# Altium PCB MCH_MAIN.PCBDOC (part 7 of 14) (continued)
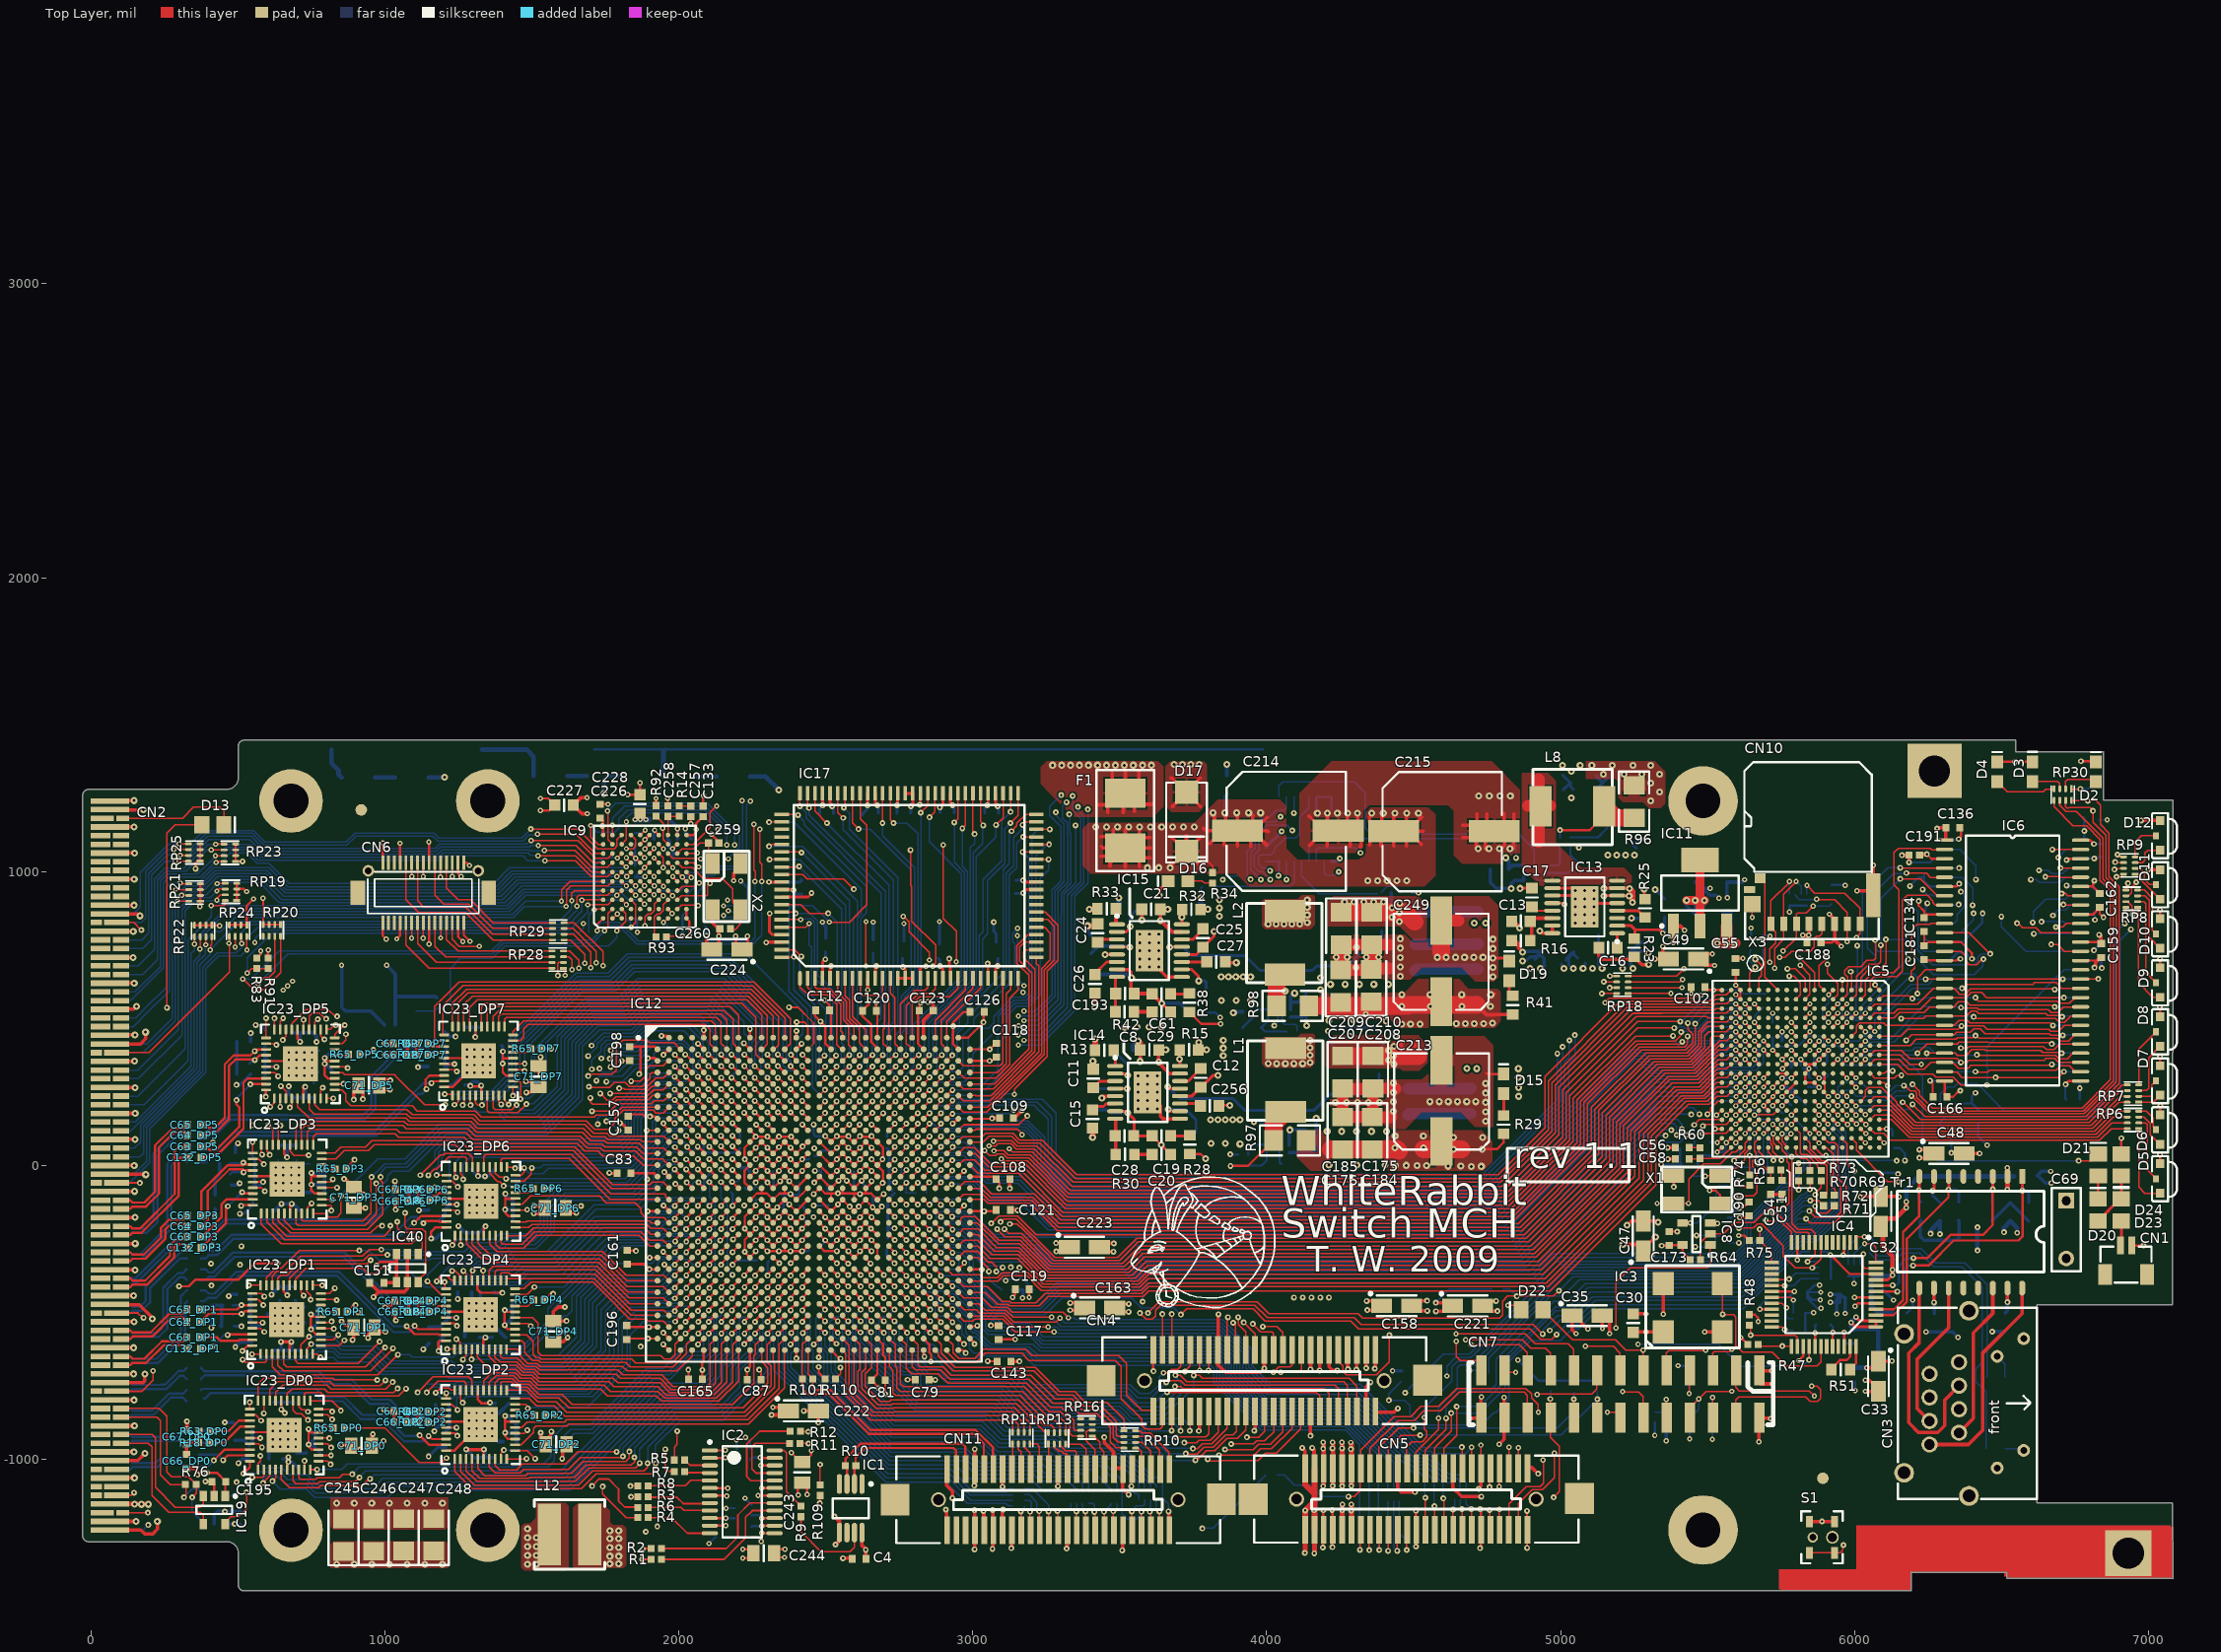
[diagram p0: Top Layer view]
## Nets (pads, with @x,y where several pads share a name; then routed paths per layer and width w, separated by ;. In a path a pad name is that pad's centre, name@x,y a point inside that pad or via, vN(x,y) a via of type N, cw(c..) or ccw(c..) an arc to the next point about the centre after c; other vN are vias at no path point) (continued)
DP_ENABLE2: IC12.AF11 IC23_DP2.1 | length 1524.1
  Top Layer w5: IC23_DP2.1@1237.68,-998.61 1237.68,-1039.9 1297.18,-1099.4 1668.4,-1099.4 1718.7,-1049.1 1849,-1049.1 ; 1858.8,-1049.1 1849,-1049.1 ; v1(1921,-1014.1) 1921,-1036.1 1908,-1049.1 1849,-1049.1
  Top Layer w8: v1@2305.42,-567.25 2321.25,-551.42 IC12.AF11@2321.25,-549.45
  Bottom Layer w5: v1(1921,-1014.1) 1920.9,-1014 1920.9,-952 2005.8,-867.1 2150.8,-867.1 2310.4,-707.5 2310.4,-583.3 2302.47,-575.37 v1(2302.47,-571.18)
DP_ENABLE3: IC12.F5 IC23_DP3.1 | length 1894.1
  Top Layer w5: IC23_DP3.1@579.08,-162.95 579.08,-198.58 647,-266.5 1090.4,-266.5 v1@1108.4,-248.5
  Top Layer w8: v1(2064.68,258.57) 2064.68,258.29 IC12.F5@2085.02,237.95
  Top Layer w10: IC12.F5@2085.02,237.95 IC12.F5@2085.02,238.23
  MidLayer1 w5: v1(1109,-247.7) 1127.1,-265.8 1165.25,-265.8 1205.55,-225.5 1401.2,-225.5 1466.2,-160.5 1466.2,-143.6 1567.1,-42.7 1632.23,-42.7 1798.83,123.9 v1@1800,123.9
  Bottom Layer w5: v1(1795,119.1) 1779,135.1 1779,157.34 1906.76,285.1 2038.16,285.1 v1(2064.68,258.57)
DP_ENABLE4: IC12.V3 IC23_DP4.1 | length 1007.7
  Top Layer w5: v1@1212.09,-624.81 IC23_DP4.1@1236.61,-624.81
  Top Layer w8: v1@1988.49,-256.22 1988.49,-252.29 IC12.V3@2004.32,-236.46
  Bottom Layer w5: v1(1211.8,-624.3) 1212.2,-623.9 1265.52,-623.9 1273.12,-616.3 1322.11,-616.3 1329.71,-623.9 1381.6,-623.9 1476.2,-623.9 1573,-527.1 1573,-488.3 1799,-262.3 1943.6,-262.3 1947.99,-257.91 v1(1987.9,-257.91)
DP_ENABLE5: IC12.B3 IC23_DP5.1 | length 1664.2
  Top Layer w5: v1(610.47,200.1) 624.68,214.31 IC23_DP5.1@624.68,228.45 ; v1@1691,309.7 1692.3,311 1696.31,311 1697.25,310.06 1773.36,310.06 1788.1,324.8 1788.1,363.15 1788.2,363.25 1788.2,404.7 1810.2,426.7 1890.6,426.7 1899.4,417.9 1909,417.9 ; 1905.4,417.9 1909,417.9 ; IC12.B3@2006.28,395.43 1983.82,417.9 1909,417.9
  MidLayer1 w5: v1(610.47,200.1) 610.47,200.03 660.8,149.7 1512.6,149.7 1552.8,189.9 1552.8,250.5 1607,304.7 v1(1692,304.7)
DP_ENABLE6: IC12.L4 IC23_DP6.1 | length 1050.8
  Top Layer w5: v1(1230,-270.9) 1238.41,-262.49 IC23_DP6.1@1238.41,-239.75
  Top Layer w8: v1@2028.34,62.64 2045.65,45.32 IC12.L4@2045.65,41.1
  Bottom Layer w5: v1(1230,-270.9) 1250.4,-250.5 1372.4,-250.5 1390,-232.9 1492.6,-232.9 1528.8,-196.7 1528.8,-138.7 1597.8,-69.7 1828.44,-69.7 1970.71,72.57 1970.71,73.81 1976.08,79.18 2016.88,79.18 2029,67.06 v1(2029,63.3)
DP_ENABLE7: IC12.D14 IC23_DP7.1 | length 1834
  Top Layer w5: v1(1204,242.9) 1226.29,242.9 IC23_DP7.1@1230.56,238.63 ; IC23_DP7.1@1229.8,227.5 1229.8,237.7 IC23_DP7.1@1230.28,238.19
  Top Layer w8: v1(2420,338.3) 2439.36,318.94 IC12.D14@2439.36,316.69
  Bottom Layer w5: v1(1204,242.9) 1248.9,242.9 1258.2,252.2 1361.2,252.2 1420.98,311.97 1420.98,425.81 1649.61,654.44 1759.59,654.44 1825.05,719.9 2039,719.9 ; 2039.2,719.7 2227,719.7 2421.5,525.2 2421.5,447.6 2401.3,427.4 2401.3,375.9 2401.6,375.6 2401.6,356.7 v1(2420,338.3)
DP_LOOPEN0: IC12.AB8 IC23_DP0.15 | length 1819.4
  Top Layer w5: IC23_DP0.15@775.32,-927.07 804.43,-927.07 v1@808.4,-923.1
  Top Layer w8: v1@2181.4,-413.7 2201.17,-393.94 IC12.AB8@2201.17,-391.97
  MidLayer1 w5: v1(811.8,-928.1) 877.4,-928.1 888.1,-938.8 921.2,-938.8 953.1,-970.7 1186.46,-970.7 1208.8,-948.36 1435.76,-948.36 1590.3,-948.4 1685.4,-853.3 1878.2,-853.3 2018,-713.5 2092.4,-713.5 2196.92,-608.98 2196.92,-430.2 v1(2180.42,-413.7)
DP_LOOPEN1: IC12.T8 IC23_DP1.15 | length 1668.1
  Top Layer w5: IC23_DP1.15@783.12,-534.47 815.43,-534.47 v1(819.2,-530.7)
  Top Layer w8: v1@2181.4,-179.45 2201.17,-159.69 IC12.T8@2201.17,-157.72
  MidLayer1 w5: v1(819.2,-530.7) 823.3,-526.6 824.7,-526.6 883.3,-468 883.3,-467.65 920.77,-430.18 970,-430.18 985.38,-414.8 1347.8,-414.8 1379.45,-383.15 ; 1381.2,-381.4 1379.45,-383.15 ; 1381.2,-381.2 1381.4,-381.2 ; v1(2183.37,-180.44) 2164.8,-161.86 2164.8,-125.1 2147,-107.3 1936.2,-107.3 1928.6,-99.7 1827.6,-99.7 1686.6,-240.7 1642.4,-240.7 1512,-371.1 1391.5,-371.1 1381.4,-381.2 ; 1379.45,-383.15 1381.4,-381.2
DP_LOOPEN2: IC12.AG12 IC23_DP2.15 | length 1130.7
  Top Layer w5: IC23_DP2.15@1443.39,-891.33 1443.62,-891.1 1466.2,-891.1 1484.7,-872.6 1611.3,-872.6 1618.8,-865.1 2234.8,-865.1 2340.8,-759.1 2340.8,-608.64 IC12.AG12@2360.62,-588.82
DP_LOOPEN3: IC12.E3 IC23_DP3.15 | length 1392
  Top Layer w5: IC23_DP3.15@784.79,-55.67 814.63,-55.67 v1(823.6,-46.7)
  Top Layer w8: v1(1985.94,301.88) 2006.28,281.54 IC12.E3@2006.28,277.32
  MidLayer1 w5: v1(823.6,-46.7) 857.8,-12.5 1163.8,-12.5 1189.6,13.3 1615.8,13.3 1721.8,119.3 1735.6,119.3 1754,137.7 v1(1754,150.7)
  Bottom Layer w5: v1(1754,150.7) 1905.18,301.88 1925,301.88 ; 1922.82,301.88 1925,301.88 ; v1(1985.94,301.88) 1925,301.88
DP_LOOPEN4: IC12.AG3 IC23_DP4.15 | length 732.3
  Top Layer w5: IC23_DP4.15@1442.35,-517.5 1469.8,-517.5 ; 1466.55,-517.5 1469.8,-517.5 ; IC12.AG3@2006.28,-588.82 1987.2,-607.91 1987.2,-643.5 1972.8,-657.9 1950.6,-657.9 1939.2,-646.5 1533.51,-646.5 1521.45,-634.45 1521.45,-536.35 1502.6,-517.5 1469.8,-517.5
DP_LOOPEN5: IC12.D6 IC23_DP5.15 | length 1625.6
  Top Layer w5: IC23_DP5.15@830.39,335.73 867.63,335.73 v1@869,337.1
  Top Layer w8: v1@2102.79,338.3 IC12.D6@2124.39,316.69
  MidLayer1 w5: v1(873.6,331.7) 885.57,343.67 885.57,354.33 993.14,461.9 1188.8,461.9 ; 1185,461.9 1188.8,461.9 ; 1449.2,461.9 1451.8,461.9 ; v1(1691.8,372.7) 1691.8,372.3 1690.4,373.7 1672,373.7 1627.4,418.3 1507.09,418.3 1463.49,461.9 1451.8,461.9 ; 1188.8,461.9 1451.8,461.9
  Bottom Layer w5: v1@1691.8,372.3 v1(1691.8,372.7) 1692.95,372.7 1723.1,402.85 1723.1,413.2 ; 1731.4,421.5 1723.1,413.2 ; v1(2101.1,338.3) 2117.6,354.8 2117.6,451.43 2072.93,496.1 1904.8,496.1 1847.14,438.44 1748.34,438.44 1723.1,413.2
DP_LOOPEN6: IC12.U2 IC23_DP6.15 | length 584.2
  Top Layer w5: IC23_DP6.15@1444.12,-132.47 1467.43,-132.47 1495.8,-104.1 1579.4,-104.1 ; 1584,-104.1 1579.4,-104.1 ; IC12.U2@1966.91,-195.12 1948.09,-176.3 1907.6,-176.3 1887.6,-176.3 1871,-159.7 1871,-147.1 1851,-127.1 1753.4,-127.1 1730.4,-104.1 1626.6,-104.1 1579.4,-104.1
DP_LOOPEN7: IC12.C12 IC23_DP7.15 | length 1297.9
  Top Layer w5: IC23_DP7.15@1435.99,345.47 v1@1473.57,345.47 ; v1@1474.2,346.1 v1@1473.57,345.47 ; v1(1476,346.1) 1475.37,345.47 v1@1473.57,345.47
  Top Layer w8: v1@2339.01,377.67 IC12.C12@2360.62,356.06
  Bottom Layer w5: v1(1476,346.1) 1473.06,349.04 1476.4,352.38 1476.4,413.35 1669.49,606.44 1685,606.44 1779.47,606.44 1844.73,671.7 2156.92,671.7 2337.32,491.3 v1(2337.32,377.67)
DP_PRBSEN0: IC12.V7 IC23_DP0.31 | length 1986.7
  Top Layer w5: v1(540.8,-805.3) 541.06,-805.56 IC23_DP0.31@541.06,-828.64
  Top Layer w8: v1@2145.97,-256.22 2145.97,-252.29 IC12.V7@2161.8,-236.46
  MidLayer1 w5: v1@547.4,-800.7 643,-705.1 857.8,-705.1 888.2,-674.7 1037.4,-674.7 1049.6,-662.5 1058.4,-662.5 1138.8,-662.5 ; 1137.6,-662.5 1138.8,-662.5 ; 1946.8,-241.41 1949.6,-241.41 ; v1@2144,-259.18 2126.23,-241.41 1949.6,-241.41 ; 1138.8,-662.5 1232.2,-662.5 1252.7,-642 1302.45,-642 1308.45,-648 1606.7,-648 1653.2,-601.5 1653.2,-536.9 1833.4,-356.7 1833.4,-263.7 1855.69,-241.41 1949.6,-241.41
  other v1: 2141,-254.3
DP_PRBSEN1: IC12.K7 IC23_DP1.31 | length 1986.6
  Top Layer w5: IC23_DP1.31@548.86,-436.04 580.74,-436.04 v1(590.6,-445.9)
  Top Layer w8: v1(2143.42,101.09) 2143.42,100.81 IC12.K7@2163.77,80.47
  MidLayer1 w5: v1(590.6,-445.9) 591.2,-445.3 591.2,-410.1 ; 591.2,-421.1 591.2,-410.1 ; v1(2143.42,101.09) 2126.82,117.7 1940,117.7 1907.8,85.5 1840.6,85.5 1761.9,6.8 1750.95,6.8 1457.25,-286.9 1296.07,-286.9 1284.37,-298.6 1207.78,-298.6 1195.48,-310.9 1078.94,-310.9 1034.14,-266.1 968,-266.1 957.2,-255.3 676.2,-255.3 591.2,-340.3 591.2,-410.1
DP_PRBSEN2: IC12.AC4 IC23_DP2.31 | length 1093.3
  Top Layer w5: IC23_DP2.31@1209.14,-792.91 1209.14,-777.39 1206.12,-774.38 1206.2,-774.3 v1(1209.2,-774.3)
  Top Layer w8: v1@2025.89,-453.07 v1(2025.89,-452.09) 2025.89,-451.11 IC12.AC4@2043.69,-433.31
  Bottom Layer w5: v1(1209.2,-774.3) 1206.2,-774.3 1206.6,-773.9 1235.12,-773.9 1252.47,-756.55 1673.95,-756.55 1779.8,-650.7 1779.8,-509.5 1819.64,-469.66 1857.8,-469.66 ; 1853.38,-469.66 1857.8,-469.66 ; v1(2025.89,-452.09) 2008.32,-469.66 1950.4,-469.66 1857.8,-469.66
DP_PRBSEN3: IC12.E4 IC23_DP3.31 | length 1740.3
  Top Layer w5: v1(550.4,79.9) 550.54,79.76 IC23_DP3.31@550.54,42.76
  Top Layer w8: v1(2025.31,301.88) 2045.65,281.54 IC12.E4@2045.65,277.32
  MidLayer1 w5: v1(550.4,79.9) 575.1,104.6 666.64,104.6 675.74,113.7 1538.8,113.7 1596.2,171.1 1596.2,232.1 1612.8,248.7 1704.55,248.7 1727.17,271.33 1731.2,271.33 ; 1736.03,271.33 1731.2,271.33 ; v1@1751.4,285.3 v1(1754.2,285.3) 1740.23,271.33 1731.2,271.33
  Bottom Layer w5: v1(1754.2,285.3) 1809.4,285.3 1818.6,294.5 ; 1818.6,294.88 1857.02,333.3 1913,333.3 1936.2,356.5 1996,356.5 2004,348.5 2004,323.19 v1(2025.31,301.88)
DP_PRBSEN4: IC12.U4 IC23_DP4.31 | length 972.8
  Top Layer w5: v1(1203.6,-396.5) 1204.8,-395.3 1204.8,-415.84 IC23_DP4.31@1208.06,-419.11 ; v1(2025,-215.78) IC12.U4@2045.65,-195.12
  Bottom Layer w5: v1(1203.6,-396.5) 1204.8,-395.3 1205.8,-396.3 1359.8,-396.3 1459.4,-396.3 1485,-370.7 1605.2,-370.7 1753.6,-222.3 1927.03,-222.3 1950.2,-199.14 2004.6,-199.14 ; 2007.19,-199.14 2004.6,-199.14 ; 2012.8,-203.7 2010.5,-201.4 ; v1(2025,-215.78) 2010.62,-201.4 2010.5,-201.4 ; 2004.6,-199.14 2008.24,-199.14 2010.5,-201.4
DP_PRBSEN5: IC12.G13 IC23_DP5.31 | length 2272.2
  Top Layer w5: IC23_DP5.31@596.14,434.16 596.14,441.3 ; 596.14,472.44 596.14,441.3 ; v1@596.14,499.24 596.14,441.3
  Top Layer w8: v1(2380.63,220.19) 2399.99,200.83 IC12.G13@2399.99,198.58
  MidLayer1 w5: v1(596.06,501.2) 666.96,572.1 718.46,572.1 801.06,654.7 1542.22,654.7 1585.51,611.41 1594.02,602.9 2199.66,602.9 2206.33,596.23 2237.83,564.73 2364.13,438.43 2364.13,236.69 v1(2380.63,220.19)
DP_PRBSEN6: IC12.G4 IC23_DP6.31 | length 1114.2
  Top Layer w5: v1(1176,-32.7) 1208.52,-32.7 IC23_DP6.31@1209.86,-34.04
  Top Layer w8: v1(2025.31,223.14) 2045.65,202.8 IC12.G4@2045.65,198.58
  Bottom Layer w5: v1(1176,-32.7) 1194.2,-14.5 1194.2,35.7 1223.84,65.34 1655.2,65.34 ; 1646.52,65.34 1655.2,65.34 ; v1(2025.31,223.14) 2006.75,241.7 1914.27,241.7 1838.4,165.83 1838.4,158.37 1838.5,158.27 1838.5,101.08 1802.76,65.34 1655.2,65.34
DP_PRBSEN7: IC12.A12 IC23_DP7.31 | length 1417.6
  Top Layer w5: IC23_DP7.31@1201.74,443.89 1197.23,448.4 1197.23,543.53 1265.6,611.9 1542.6,611.9 ; 1536.55,611.9 1542.6,611.9 ; 2225.4,611.5 2221.2,611.5 ; IC12.A12@2360.62,434.8 2361.8,435.99 2361.8,501.58 2251.88,611.5 2221.2,611.5 ; 1542.6,611.9 2217.22,611.9 2217.62,611.5 2221.2,611.5
DP_SYNC_PASS0: IC12.Y6 IC23_DP0.30 | length 1863.1
  Top Layer w5: IC23_DP0.30@569.61,-800.1 569.61,-743.29 589.8,-723.1 823,-723.1 829.4,-729.5 971.2,-729.5 v1@971.6,-729.9
  Top Layer w8: v1@2108.57,-331.03 2124.39,-315.2 IC12.Y6@2124.39,-313.23
  MidLayer1 w5: v1(974.2,-729.7) 995.7,-708.2 1075.82,-708.2 1086.42,-697.6 1335.1,-697.6 1347.4,-685.3 1631.8,-685.3 1695.4,-621.7 1695.4,-550.5 1873,-372.9 1873,-339.1 1879.8,-332.3 1915.8,-332.3 1927.7,-320.4 2087.12,-320.4 v1(2104.63,-337.92)
DP_SYNC_PASS1: IC12.J6 IC23_DP1.30 | length 1967.1
  Top Layer w5: v1(537.8,-407.5) IC23_DP1.30@577.41,-407.5
  Top Layer w8: v1(2104.05,144.4) 2124.39,124.06 IC12.J6@2124.39,119.84
  MidLayer1 w5: v1(537.8,-407.5) 537.8,-346.1 655.4,-228.5 976,-228.5 993.6,-246.1 1054.6,-246.1 1097.4,-288.9 1183,-288.9 1222.2,-249.7 1461.92,-249.7 1742.42,30.8 1751.25,30.8 1856.75,136.3 1904,136.3 1928.6,160.9 2087.55,160.9 v1(2104.05,144.4)
DP_SYNC_PASS2: IC12.AC5 IC23_DP2.30 | length 1221.8
  Top Layer w5: v1(1173.2,-772.7) 1189.1,-756.8 1218.5,-756.8 1226.06,-764.36 IC23_DP2.30@1237.68,-764.36
  Top Layer w8: v1@2063.29,-455.04 2063.29,-453.07 IC12.AC5@2081.09,-435.28
  Bottom Layer w5: v1(1173.2,-772.7) 1192.38,-791.88 1231.28,-791.88 1256.61,-766.55 1684.95,-766.55 1793.8,-657.7 1793.8,-533.1 1793.8,-526.5 1837.8,-482.5 1963,-482.5 1966.84,-478.66 1973.6,-478.66 ; 1970.77,-478.66 1973.6,-478.66 ; v1(2065.26,-452.09) 2038.69,-478.66 1973.6,-478.66
DP_SYNC_PASS3: IC12.F1 IC23_DP3.30 | length 1540.7
  Top Layer w5: IC23_DP3.30@579.08,71.3 579.08,40.5 v1(582.56,37.02) ; v1@1699.4,229.5 1699.4,217.3 1707.8,208.9 1775.46,208.9 1790.06,223.5 1897.13,223.5 1906.56,232.93 1908.61,234.98 1911.58,237.95 IC12.F1@1927.54,237.95
  MidLayer1 w5: v1(582.56,37.02) 582.56,69.96 605.2,92.6 671.61,92.6 680.71,101.7 1547.8,101.7 1610.2,164.1 1610.2,219.1 1621.2,230.1 v1(1699.6,230.1) v1@1699.2,230.5
DP_SYNC_PASS4: IC12.R5 IC23_DP4.30 | length 1132.4
  Top Layer w5: v1@1175.4,-400.7 1175.4,-391.3 1191.6,-375.1 1211.4,-375.1 1226.86,-390.56 IC23_DP4.30@1236.61,-390.56
  Top Layer w8: v1@2063.29,-138.11 IC12.R5@2083.06,-118.35
  Bottom Layer w5: v1@1175.4,-400.7 1175.4,-397.75 v1@1178.03,-395.13 ; v1(1176.8,-393.9) 1176.8,-386.15 1222.55,-340.4 1302.56,-340.4 1316.43,-326.53 1421.57,-326.53 1443,-305.1 1561.6,-305.1 1718.8,-147.9 1869.8,-147.9 1898.3,-119.4 2047.53,-119.4 v1(2065.26,-137.13)
DP_SYNC_PASS5: IC12.G12 IC23_DP5.30 | length 2165.5
  Top Layer w5: IC23_DP5.30@624.68,462.7 v1@624.68,500.82
  Top Layer w8: v1(2337.32,220.19) 2339.01,220.19 IC12.G12@2360.62,198.58
  MidLayer1 w5: v1@623.6,501.9 v1(624.6,500.9) 626.6,500.9 685.8,560.1 723.43,560.1 806.03,642.7 1537.25,642.7 1587.05,592.9 2192.69,592.9 2353.82,431.77 2353.82,236.69 v1(2337.32,220.19)
DP_SYNC_PASS6: IC12.G5 IC23_DP6.30 | length 1073.5
  Top Layer w5: IC23_DP6.30@1238.41,-5.5 1238.41,-36.3 v1(1241.89,-39.78)
  Top Layer w8: v1(2064.68,223.14) 2085.02,202.8 IC12.G5@2085.02,198.58
  Bottom Layer w5: v1(1241.89,-39.78) 1241.89,11.99 1268.4,38.5 1811,38.5 1860.6,88.1 1860.6,161.16 1906.08,206.64 2048.18,206.64 v1(2064.68,223.14)
DP_SYNC_PASS7: IC12.B11 IC23_DP7.30 | length 1373.6
  Top Layer w5: 1229.4,498.67 1229.4,502.1 ; IC23_DP7.30@1230.28,472.44 1229.4,473.32 1229.4,502.1 ; IC12.B11@2321.25,395.43 2325.13,395.43 2335.65,405.95 ; 2335.65,405.55 2335.65,405.95 ; 1229.4,502.1 1229.4,551.47 1277.83,599.9 2212.25,599.9 2212.65,599.5 2246.91,599.5 2340,506.41 2340,410.3 2335.65,405.95
DP_SYNCEN0: IC12.W7 IC23_DP0.32 | length 2021.9
  Top Layer w5: IC23_DP0.32@541.06,-848.33 560.51,-848.33 v1@579.39,-867.2
  Top Layer w8: v1@2144,-297.56 2144,-293.62 IC12.W7@2161.8,-275.83
  MidLayer1 w5: v1(579.4,-867.9) 558.2,-846.7 558.2,-812.1 651.8,-718.5 867.2,-718.5 899,-686.7 1049,-686.7 1058.1,-677.6 1311.9,-677.6 1329.6,-659.9 1617,-659.9 1665.6,-611.3 1665.6,-541.3 1848.2,-358.7 1848.2,-321.3 1893,-276.5 1952.6,-276.5 ; 1948.6,-276.5 1952.6,-276.5 ; v1(2144,-294.61) 2125.89,-276.5 1952.6,-276.5
DP_SYNCEN1: IC12.J7 IC23_DP1.32 | length 2036.3
  Top Layer w5: IC23_DP1.32@548.86,-455.73 568.31,-455.73 v1(587.19,-474.6)
  Top Layer w8: v1(2143.42,144.4) 2163.77,124.06 IC12.J7@2163.77,119.84
  MidLayer1 w5: 578.6,-468.1 568,-457.5 568,-340.93 667.43,-241.5 966.4,-241.5 981,-256.1 1041.77,-256.1 1086.57,-300.9 1191.34,-300.9 1203.74,-288.5 1271.2,-288.5 1284.8,-274.9 1452.28,-274.9 1745.98,18.8 1756.3,18.8 1836,98.5 1901.6,98.5 1929.8,126.7 2125.73,126.7 v1(2143.42,144.4)
DP_SYNCEN2: IC12.AD3 IC23_DP2.32 | length 1054.9
  Top Layer w5: IC23_DP2.32@1209.14,-812.59 1228.59,-812.59 v1(1247.46,-831.47)
  Top Layer w8: v1@1988.49,-492.44 1988.49,-488.51 IC12.AD3@2004.32,-472.68
  Bottom Layer w5: 1244.4,-813.5 1244.4,-808.1 ; v1(1247.46,-831.47) 1244.4,-828.41 1244.4,-808.1 ; v1(1986.52,-495.4) 1852.3,-495.4 1808,-539.7 1808,-662.3 1693.75,-776.55 1260.75,-776.55 1244.4,-792.9 1244.4,-808.1
DP_SYNCEN3: IC12.E1 IC23_DP3.32 | length 1530.7
  Top Layer w5: IC23_DP3.32@550.54,23.07 569.99,23.07 v1(588.86,4.2) ; v1(1766.2,245.3) 1766.3,245.2 1885.04,245.2 1908.12,268.28 1912.74,268.28 1916.18,268.28 1925.22,277.32 IC12.E1@1927.54,277.32 IC12.E1@1926.56,278.3
  MidLayer1 w5: v1(588.86,4.2) 598.76,14.1 627.06,14.1 635,22.04 635,44.5 659.1,68.6 681.55,68.6 690.65,77.7 1557.74,77.7 1634.4,154.36 1634.4,185.3 1651.7,202.6 1723.5,202.6 v1(1766.2,245.3)
DP_SYNCEN4: IC12.R6 IC23_DP4.32 | length 1217.5
  Top Layer w5: v1(1145.4,-393.5) 1190.69,-438.79 IC23_DP4.32@1208.06,-438.79
  Top Layer w8: v1@2104.63,-136.14 IC12.R6@2124.39,-116.38
  Bottom Layer w5: v1@1145,-401.1 1145.2,-400.9 1145.2,-372.3 1189.2,-328.3 1298,-328.3 1314.6,-311.7 1417.2,-311.7 1436,-292.9 1551.6,-292.9 1711.6,-132.9 1860.2,-132.9 1883,-110.1 2077.6,-110.1 v1(2104.63,-137.13)
DP_SYNCEN5: IC12.F12 IC23_DP5.32 | length 2144.2
  Top Layer w5: IC23_DP5.32@596.14,414.47 634.1,414.47 634.67,413.9 631.27,410.5 v1(631.2,410.5)
  Top Layer w8: v1(2337.32,259.56) 2339.01,259.56 IC12.F12@2360.62,237.95
  MidLayer1 w5: v1(631.2,410.5) 631.8,411.1 631.8,443.9 674.2,486.3 674.2,496.5 674.4,496.5 708.8,530.9 737,530.9 824.8,618.7 1527.31,618.7 1573.1,572.9 2178.75,572.9 2285.39,466.26 2285.39,292.09 2295.05,282.43 2314.45,282.43 v1(2337.32,259.56)
DP_SYNCEN6: IC12.G3 IC23_DP6.32 | length 1077.8
  Top Layer w5: IC23_DP6.32@1209.86,-53.73 1229.31,-53.73 v1(1248.19,-72.6)
  Top Layer w8: v1(1985.94,223.14) 2006.28,202.8 IC12.G3@2006.28,198.58
  Bottom Layer w5: v1(1248.19,-72.6) 1220,-44.42 1220,29.1 1241.5,50.6 1803.9,50.6 1848.8,95.5 1848.8,162.09 1909.85,223.14 v1(1985.94,223.14)
DP_SYNCEN7: IC12.B12 IC23_DP7.32 | length 1556.4
  Top Layer w5: IC23_DP7.32@1200.85,425.1 1201.74,424.21 1178.8,424.21 1169.6,433.4 1169.6,541.1 1252.4,623.9 1534.4,623.9 ; 1531.58,623.9 1534.4,623.9 ; IC12.B12@2360.62,395.43 2372.72,407.54 2373.04,407.54 2374.45,408.95 2379.6,414.1 2379.6,500.75 2306.73,573.63 2256.45,623.9 1830.4,623.9 1534.4,623.9
DRXD: CN7.15 IC9.G3 | length 4535.9
  Top Layer w5: v2(1885,814.9) 1885,845.75 1895.53,856.27 1904.69,856.27 1916.6,868.19 1916.6,888.52 IC9.G3@1931.98,903.89 ; v2(4920,-779.1) 4922.5,-776.6 5106.5,-776.6 5122.7,-760.4 CN7.15@5122.7,-698.68
  MidLayer1 w5: v2(1885,814.9) 1917,814.9 1924,807.9 1993,807.9 2011,825.9 ; 2015,825.9 2011,825.9 ; v2(4920,-779.1) 4920,-752.77 4825.33,-658.1 4351.57,-658.1 4339.86,-646.38 4254.61,-561.14 4038.93,-561.14 3820.89,-343.1 3489.91,-343.1 3277.61,-130.8 3277.61,586.72 3223.71,640.62 3164.43,640.62 3060.15,744.9 2395,744.9 2328.5,811.4 2131.5,811.4 2117,825.9 2011,825.9
DTXD: CN7.13 IC9.H2 | length 4326.9
  Top Layer w5: IC9.H2@1963.47,872.4 v2(1977.85,858.02) ; v2(5084,-615.1) 5179,-615.1 5201.44,-637.54 CN7.13@5201.44,-698.68
  MidLayer1 w5: v2(1977.85,858.02) 2039.07,858.02 2051.19,845.9 2125.28,845.9 2139.78,831.4 2338.5,831.4 2404,765.9 3067.43,765.9 3172.72,660.62 3231.99,660.62 3297.61,595 3297.61,-54.32 3564.19,-320.91 3829.19,-320.91 4048.39,-540.1 4261.86,-540.1 4359.86,-638.1 4839.52,-638.1 4843.02,-634.6 4909.64,-634.6 4913.22,-638.18 5060.92,-638.18 v2(5084,-615.1)
EBI1_A21: IC5.M9
EBI1_A22: IC5.N9
ESD_STRIP_SEGMENT_1: pad.ESD_STRIP_SEGMENT_1 R111.1 | length 109.4
  Bottom Layer w16: pad.ESD_STRIP_SEGMENT_1@818.91,1415.33 818.91,1368.69 842.88,1344.72 842.88,1330.22 R111.1@853.03,1320.06
ESD_STRIP_SEGMENT_2: pad.ESD_STRIP_SEGMENT_2 R113.1 | length 251.7
  Bottom Layer w16: pad.ESD_STRIP_SEGMENT_2@1330.72,1415.33 1482.44,1415.33 1506.42,1391.35 R113.1@1506.42,1325.31
ESD_STRIP_SEGMENT_3: pad.ESD_STRIP_SEGMENT_3 R115.1 | length 2374.9
  Bottom Layer w8: pad.ESD_STRIP_SEGMENT_3@1711.5,1415.33 pad.ESD_STRIP_SEGMENT_3@3988.2,1415.33 ; pad.ESD_STRIP_SEGMENT_3@1947.58,1411.66 pad.ESD_STRIP_SEGMENT_3@1954.21,1418.29
  Bottom Layer w16: R115.1@1946.01,1323.49 1947.58,1325.06 pad.ESD_STRIP_SEGMENT_3@1947.58,1411.66
ETH100_AGND: C31.2 C32.2 C33.2 C34.1 C36.2 C37.2 C39.2 C42.1 C69.1 C72.2 C73.2 IC4.5 IC4.6 IC4.46 R117.2 | length 1269.6
  Top Layer w8: IC4.46@5965,-616.1 v2(5965,-567.1) ; v2(6000,-449.1) IC4.6@6072,-449.1 ; v2(6001,-479.1) 6011,-469.1 IC4.5@6072,-469.1
  Top Layer w12: v2(6019,-106.1) 6020.18,-104.92 C32.2@6089,-104.92 6148.82,-104.92 v2(6150,-106.1) ; v2(6036,-768.1) 6036.18,-768.28 C33.2@6081,-768.28 6068,-755.28 6068,-748.1 6050,-730.1 v2(6037,-730.1)
  Bottom Layer w8: v2(6002,-765.1) C36.2@6002,-734.72 ; C34.1@6176.62,-503.1 6197.8,-481.92 v2(6197.8,-458.1)
  Bottom Layer w10: v2(5965,-567.1) 5965,-598.1 5972.62,-605.72 C37.2@5998,-605.72 ; C39.2@6095,-420.72 6132,-457.72 v2(6132,-458.1)
  Bottom Layer w12: v2(5918,-466.1) 5949,-466.1 5949,-443.19 R117.2@5953.09,-439.1 ; v2(5918,-438.1) 5919,-439.1 R117.2@5953.09,-439.1 ; v2(5939,-505.1) 5939,-453.19 R117.2@5953.09,-439.1 ; v2(5968,-503.1) 5968,-449.1 5963.09,-449.1 R117.2@5953.09,-439.1 ; v2(6667,-20.1) 6636,-20.1 6621,-35.1 C72.2@6623.5,-35.1 6648.5,-60.1 v2(6669,-60.1)
  Bottom Layer w16: v1(6258,-232.1) 6258,-222.1 6269,-211.1 6269,-209.6 C73.2@6290,-188.6 v1(6290,-233.1) ; v1(6418,-289.1) 6417.5,-288.6 C42.1@6417.5,-248.1 6417.5,-210.6 v1(6418,-210.1) ; v1(6508,-227.1) 6507,-227.1 6507,-212.6 C31.2@6530,-189.6 6553,-212.6 v1(6553,-229.1)
FBOOT_SEL: IC8.1 IC9.F6 | length 4980.3
  Top Layer w5: IC9.F6@1900.48,998.38 v2(1916,982.9) ; v2(5188,-552.1) 5188,-396.1 5236,-348.1 5498,-348.1 5509.24,-336.86 IC8.1@5509.24,-270.34
  MidLayer1 w5: v2(1916,982.9) 1958.08,982.9 ; 1933,982.9 1958.08,982.9 ; 4253,-489.1 4247,-489.1 ; v2(5188,-552.1) 5155.86,-519.96 4980.66,-519.96 4977.33,-523.3 4317.2,-523.3 4283,-489.1 4247,-489.1 ; 1958.08,982.9 1995.58,945.4 2081.5,945.4 2088,951.9 2088,967.9 2105.5,985.4 2216.83,985.4 2228.67,973.57 2228.67,964.23 2245.7,947.2 2319,947.2 2326.8,955 2397.45,955 2443.35,909.1 2540.7,909.1 2571.4,878.4 3112.14,878.4 3348,642.54 3348,-29.95 3588.95,-270.91 3853.81,-270.91 4072.01,-489.1 4247,-489.1
FCLKIN_3V3_1: IC12.J28 R11.2 | length 2549.7
  Top Layer w6: R11.2@2412.72,-945.1 v1@2440.8,-945.1 ; IC12.J28@2990.54,119.84 3007.54,119.84 3011.2,123.5 3153,123.5 3168,108.5 v2(3168,104.9)
  MidLayer1 w6: v1(3129.4,-346.2) 3148.99,-365.79 3168.81,-365.79 3177.18,-357.42 3177.18,-298.92 3188,-288.1 3188,-120.1 3168,-100.1 v2(3168,104.9)
  MidLayer4 w6: v1@2441.4,-946.3 2494.2,-946.3 2509.3,-961.4 2509.3,-1079.6 2518.8,-1089.1 2546.8,-1089.1 2552.2,-1083.7 2552.2,-943 2562.1,-933.1 2583.4,-933.1 2592.3,-942 2592.3,-1041.9 2600.5,-1050.1 2634.4,-1050.1 2643.8,-1040.7 2643.8,-966.9 2662.5,-948.2 2681.5,-948.2 2714.6,-981.3 2714.6,-981.7 2736.7,-981.7 2755.3,-963.1 2755.3,-932.2 2755.7,-931.8 2755.7,-902.5 2727.4,-874.2 2727.4,-836.5 2851.8,-712.1 2965.8,-712.1 3036.2,-641.7 3036.2,-464.4 3001.1,-429.3 3001.1,-337.7 3019.7,-319.1 3102.7,-319.1 v1@3130.3,-346.7
  other v1: 2441.4,-945.7
FCLKIN_3V3_2: IC12.J27 R73.1 | length 3688.1
  Top Layer w5: v1(5810,-82.9) R73.1@5810,-52.82
  Top Layer w6: IC12.J27@2951.17,119.84 2970.63,139.3 3157,139.3 v1@3186,168.3
  MidLayer1 w6: v1@3185,167.9 3185,136.9 3191,130.9 3191,-74.2 3212,-95.2 3212,-355.1 3251,-394.1 3385,-394.1 3434.5,-443.6 3558.5,-443.6 v1(3578,-463.1)
  Bottom Layer w5: v1(3578,-463.1) 3578,-424.1 3603.72,-398.38 4914.72,-398.38 4986.74,-326.36 5596.45,-326.36 5646,-276.82 5646,-198.52 5761.63,-82.9 v1(5810,-82.9)
  other v1: 3186,168.9
FCLKIN_3V3_3: CN11.14 IC12.Y27 R99.1 R102.2 | length 1259.5
  Top Layer w6: IC12.Y27@2951.17,-313.23 2972.1,-292.3 3016.2,-292.3 3052.3,-328.4 3063.7,-328.4 3080.5,-345.2 v1(3080.5,-360.6)
  Top Layer w12: CN11.14@3100.76,-1238.43 v1@3100.76,-1173.14
  MidLayer4 w6: v1@3080.5,-361.8 3080.5,-423.6 3126.3,-469.4 3126.3,-839.7 3068.2,-897.8 3068.2,-1136.9 v1(3102.6,-1171.3)
  Bottom Layer w6: v1(3080.5,-360.6) 3089.5,-360.6 3096.19,-367.29 3148.41,-367.29 3168.22,-387.1 3170.72,-387.1 R99.1@3206.72,-423.1
FCLKIN_3V3_4: CN11.10 IC12.Y28 R100.1 R118.2 | length 1092.9
  Top Layer w6: IC12.Y28@2990.54,-313.23 3017.73,-313.23 3055.7,-351.2 v1@3055.7,-355.96
  Top Layer w12: v1(3036.4,-1175.1) 3037.77,-1176.47 CN11.10@3037.77,-1238.43
  MidLayer4 w6: v1(3036.4,-1175.1) 3036.4,-880.3 3092.7,-824 3092.7,-469.8 3055.1,-432.2 3055.1,-363.8 3051.5,-360.2 v1(3055.3,-360.2)
  Bottom Layer w6: v1(3055.3,-360.2) 3055.3,-386.12 R118.2@3056.28,-387.1 3075.09,-405.91 3077.81,-405.91 3086,-414.1 3089.28,-414.1 R100.1@3098.28,-423.1
FCLKIN_3V3_5: IC12.A15
FCLKIN_3V3_6: IC12.B15
FMAIN_SEL: IC9.H6
FREE_2V5_1: IC12.H13 | length 29.6
  Top Layer w8: v1(2380.63,180.82) 2399.99,161.46 IC12.H13@2399.99,159.21
FREE_2V5_2: IC12.H14 | length 29.6
  Top Layer w8: v1(2420,180.82) 2439.36,161.46 IC12.H14@2439.36,159.21
FREE_2V5_3: IC12.Y17 | length 28.1
  Top Layer w8: IC12.Y17@2557.47,-313.23 2557.47,-315.17 v1(2576,-333.7)
FREE_2V5_4: IC12.J12 | length 0.8
  Top Layer w8: IC12.J12@2360.62,119.84 IC12.J12@2360.62,120.68
FREE_2V5_5: IC12.F14 | length 29.6
  Top Layer w8: v1(2420,259.56) 2439.36,240.2 IC12.F14@2439.36,237.95
FREE_2V5_6: IC12.AA14 | length 28
  Top Layer w8: v1@2419.59,-372.36 IC12.AA14@2439.36,-352.6
  other v1: 2420.58,-374.33
FREE_2V5_7: IC12.AB13 | length 29.9
  Top Layer w8: v1@2378.25,-413.7 2398.02,-393.94 IC12.AB13@2398.02,-391.97
  other v1: 2381.21,-413.7
FREE_2V5_8: IC12.AB21 | length 27.9
  Top Layer w8: IC12.AB21@2714.95,-391.97 2714.95,-392.13 2734.03,-411.21 v1@2734.55,-411.73
  other v1: 2733.57,-411.67
FREE_2V5_9: IC12.C14 | length 27.8
  Top Layer w8: v1(2421.4,376.41) 2439.36,358.46 IC12.C14@2439.36,356.06
FREE_2V5_10: IC12.AE22
FREE_2V5_11: IC12.AA16 | length 29.8
  Top Layer w8: IC12.AA16@2518.1,-352.6 2537.86,-372.36 v1@2539.67,-372.36
  other v1: 2540.65,-372.3
FREE_2V5_12: IC12.AB11 | length 29.9
  Top Layer w8: v1@2301.48,-413.7 2321.25,-393.94 IC12.AB11@2321.25,-391.97
  other v1: 2302.47,-413.7
FREE_2V5_13: IC12.AE5 | length 29.1
  Top Layer w8: v1@2063.29,-535.75 2063.29,-531.81 IC12.AE5@2081.09,-514.02
  other v1: 2066.24,-531.81
FREE_2V5_14: IC12.AC15 | length 27.9
  Top Layer w8: IC12.AC15@2478.73,-431.34 2498.33,-450.95 v1@2498.33,-451.11
  other v1: 2497.35,-451.04
FREE_2V5_15: IC12.AD25 | length 27
  Top Layer w8: IC12.AD25@2872.43,-470.71 2874.24,-470.71 v1@2892.03,-488.51
  other v1: 2892.03,-489.43
FREE_2V5_16: IC12.J10 | length 26.9
  Top Layer w8: v1(2263.4,139.1) 2281.88,120.62 IC12.J10@2281.88,119.84
FREE_2V5_17: IC12.AA21 | length 27.1
  Top Layer w8: IC12.AA21@2714.95,-352.6 2732.58,-370.24 v1@2732.58,-372.36
  other v1: 2733.57,-372.3
FREE_2V5_18: IC12.Y13 | length 32.6
  Top Layer w5: IC12.Y13@2399.99,-319.11 IC12.Y13@2399.99,-313.23
  Top Layer w8: v1(2381.18,-332.19) 2381.18,-332.04 IC12.Y13@2399.99,-313.23
FREE_2V5_19: IC12.B4
FREE_2V5_20: IC12.AA13 | length 28
  Top Layer w8: v1@2378.25,-372.36 IC12.AA13@2398.02,-352.6
  other v1: 2381.21,-374.33
FREE_2V5_21: IC12.G14 | length 29.6
  Top Layer w8: v1(2420,220.19) 2439.36,200.83 IC12.G14@2439.36,198.58
FREE_2V5_22: IC12.G11 | length 29.6
  Top Layer w8: v1(2301.89,220.19) 2321.25,200.83 IC12.G11@2321.25,198.58
FREE_2V5_23: IC12.U5 | length 27.1
  Top Layer w8: v1@2065.26,-216.85 v1(2065.26,-215.87) 2065.26,-214.88 IC12.U5@2083.06,-197.09
FREE_2V5_24: IC12.J3 | length 2.8
  Top Layer w5: IC12.J3@2006.28,119.84 IC12.J3@2006.28,122.68
FREE_2V5_25: IC12.AA10 | length 28
  Top Layer w8: v1@2256.21,-374.33 IC12.AA10@2275.97,-354.57
  other v1: 2259.16,-374.33
FREE_2V5_26: IC12.AC14 | length 27.1
  Top Layer w8: v1@2421.56,-451.11 2421.56,-449.14 IC12.AC14@2439.36,-431.34
  other v1: 2420.58,-453.07
FREE_2V5_27: IC12.AB18 | length 29.8
  Top Layer w8: IC12.AB18@2596.84,-391.97 2598.65,-391.97 v1@2618.41,-411.73
  other v1: 2619.39,-411.67
FREE_2V5_28: IC12.G10 | length 32.2
  Top Layer w8: v1(2258.58,220.19) 2260.27,220.19 IC12.G10@2281.88,198.58
FREE_2V5_29: IC12.H10 | length 32.2
  Top Layer w8: v1(2258.58,180.82) 2260.27,180.82 IC12.H10@2281.88,159.21
FREE_2V5_30: IC12.AA7
FREE_2V5_31: IC12.J13
FREE_2V5_32: IC12.AB22 | length 27
  Top Layer w8: IC12.AB22@2754.32,-391.97 2772.11,-409.77 v1@2773.92,-409.77
  other v1: 2773.92,-410.69
FREE_2V5_33: IC12.W3 | length 29.1
  Top Layer w8: v1@1986.52,-297.56 1986.52,-293.62 IC12.W3@2004.32,-275.83
  other v1: 1986.52,-294.61
FREE_2V5_34: IC12.A3
FREE_2V5_35: IC12.Y16 | length 27.6
  Top Layer w5: IC12.Y16@2514.87,-313.23 IC12.Y16@2518.1,-313.23
  Top Layer w8: IC12.Y16@2518.1,-313.23 2534.56,-329.7 v1@2535.6,-329.7
  other v1: 2537.4,-332.5
FREE_2V5_36: IC12.AE4 | length 29.1
  Top Layer w8: v1@2025.89,-533.78 2025.89,-529.85 IC12.AE4@2043.69,-512.05
  other v1: 2022.94,-531.81